# KiCad board SparkFun_BlueSMiRF-ESP32_panelized.kicad_pcb (continued)
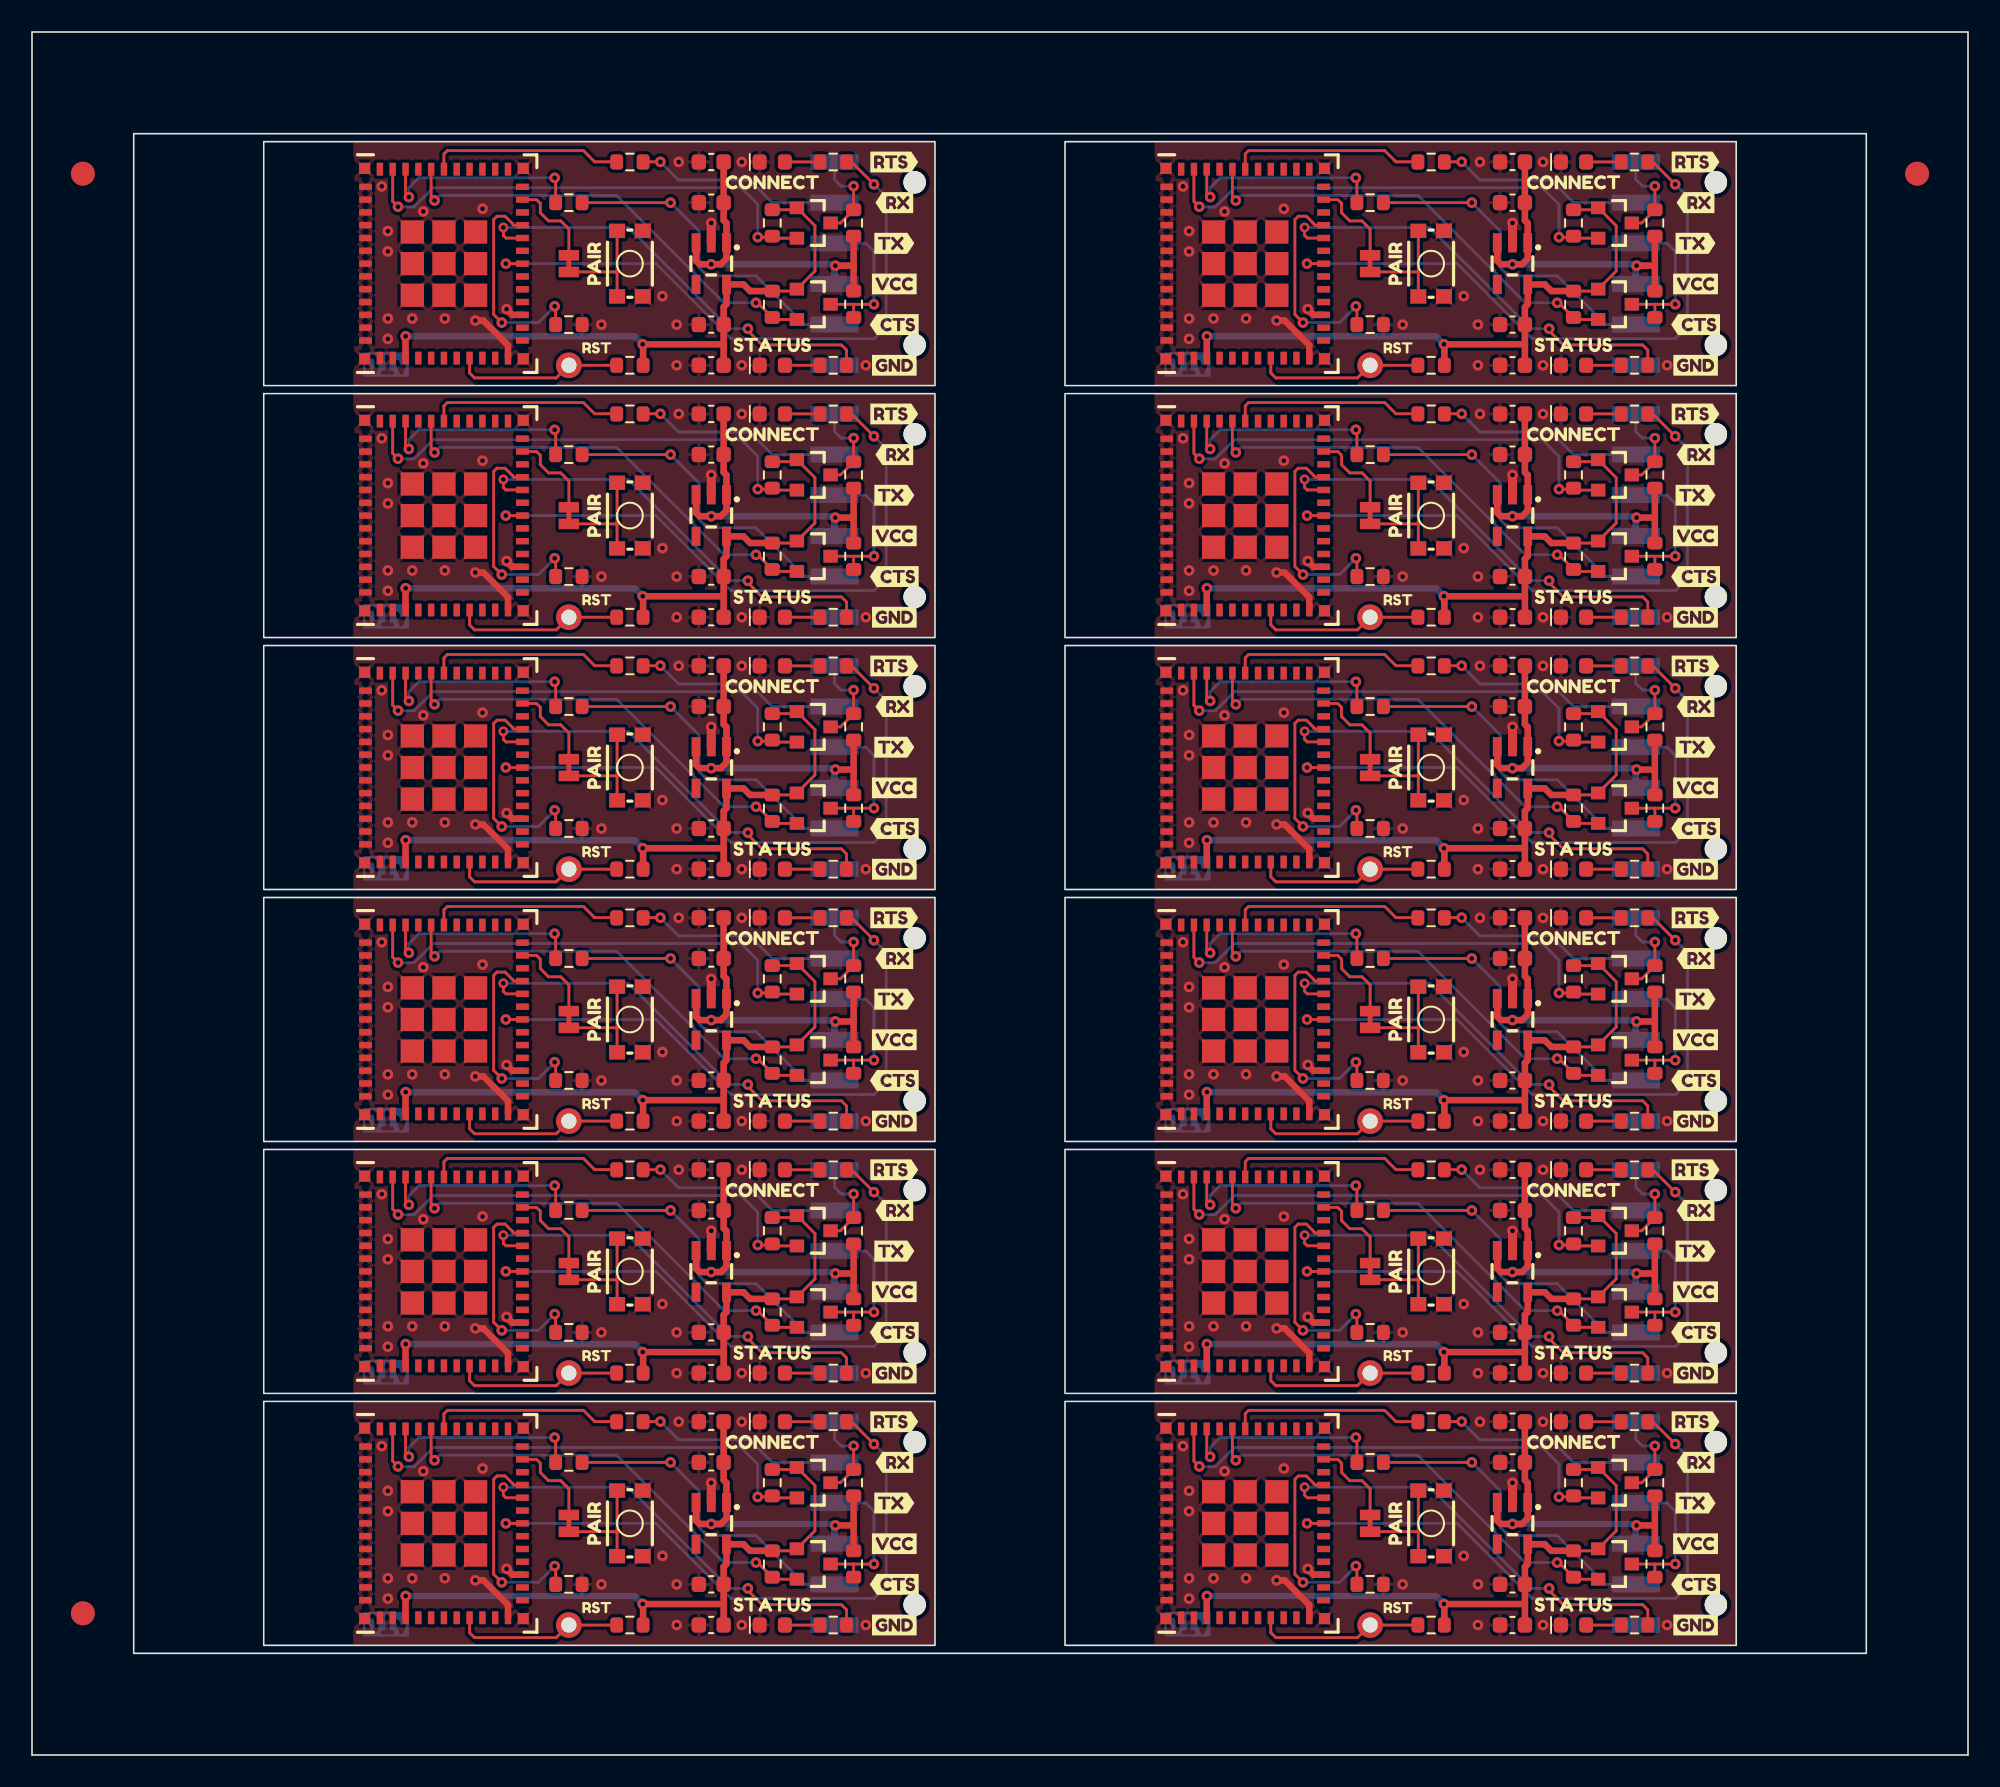
[diagram p0: board, top side]
## Routing (per net, layer and track width the routed paths; a pad name or vN(x,y) marks a point on that pad's centre or on a via; arc(x,y) is an arc through that point) (continued)
VCC: length 288.1
  Top w0.406: R4#12.1 101.33,30.08 ; 101.33,30.08 v1(100.19,30.08) ; 101.33,30.08 101.33,31.93 ; 51.3,31.93 51.3,30.08 ; 51.3,30.08 v1(50.16,30.08) ; 51.3,30.08 R4#3.1 ; v1(100.19,93.04) 101.33,93.04 ; 101.33,93.04 101.33,91.46 ; 101.33,93.04 R7#10.1 ; C3.1 C1.1 43.19,17.18 43.36,17 U2#2.1 43.36,14.79 43,14.43 v1(42.41,14.43) 41.68,14.43 41.46,14.65 U2#2.3 ; U2#12.3 91.49,93.35 91.71,93.13 v1(92.44,93.13) 93.03,93.13 93.39,93.49 U2#12.1 93.39,95.7 93.22,95.88 C1#12.1 C3#10.1 ; R7.1 51.3,14.34 ; 51.3,14.34 v1(50.16,14.34) ; 51.3,14.34 R4.1 ; R4#4.1 51.3,45.82 ; 51.3,45.82 R7#7.1 ; 51.3,45.82 v1(50.16,45.82) ; U2#9.3 91.49,61.87 91.71,61.65 v1(92.44,61.65) 93.03,61.65 93.39,62.01 U2#9.1 93.39,64.22 93.22,64.4 C1#9.1 C3#11.1 ; U2#6.3 91.49,14.65 91.71,14.43 v1(92.44,14.43) 93.03,14.43 93.39,14.79 U2#6.1 93.39,17 93.22,17.18 C1#11.1 C3#8.1 ; R4#10.1 101.33,61.56 ; 101.33,61.56 R7#12.1 ; 101.33,61.56 v1(100.19,61.56) ; v1(100.19,45.82) 101.33,45.82 ; 101.33,45.82 R4#5.1 ; 101.33,45.82 R7#3.1 ; C3#5.1 C1#4.1 43.19,48.66 43.36,48.48 U2#5.1 43.36,46.27 43,45.91 v1(42.41,45.91) 41.68,45.91 41.46,46.13 U2#5.3 ; 51.3,79.15 51.3,77.3 ; 51.3,77.3 R4#11.1 ; 51.3,77.3 v1(50.16,77.3) ; v1(100.19,77.3) 101.33,77.3 ; 101.33,77.3 R4#9.1 ; 101.33,77.3 101.33,79.15 ; v1(50.16,61.56) 51.3,61.56 ; 51.3,61.56 R7#5.1 ; 51.3,61.56 R4#2.1 ; C3#4.1 C1#8.1 93.22,48.66 93.39,48.48 U2#8.1 93.39,46.27 93.03,45.91 v1(92.44,45.91) 91.71,45.91 91.49,46.13 U2#8.3 ; U2#7.3 91.49,30.39 91.71,30.17 v1(92.44,30.17) 93.03,30.17 93.39,30.53 U2#7.1 93.39,32.74 93.22,32.92 C1#2.1 C3#9.1 ; C3#6.1 C1#6.1 43.19,80.14 43.36,79.96 U2.1 43.36,77.75 43,77.39 v1(42.41,77.39) 41.68,77.39 41.46,77.61 U2.3 ; R7#9.1 101.33,14.34 ; 101.33,14.34 v1(100.19,14.34) ; 101.33,14.34 R4#6.1 ; 51.3,91.46 51.3,93.04 ; 51.3,93.04 v1(50.16,93.04) ; 51.3,93.04 R7#8.1 ; U2#3.3 41.46,61.87 41.68,61.65 v1(42.41,61.65) 43,61.65 43.36,62.01 U2#3.1 43.36,64.22 43.19,64.4 C1#3.1 C3#3.1 ; C3#2.1 C1#5.1 43.19,32.92 43.36,32.74 U2#4.1 43.36,30.53 43,30.17 v1(42.41,30.17) 41.68,30.17 41.46,30.39 U2#4.3 ; U2#11.3 91.49,77.61 91.71,77.39 v1(92.44,77.39) 93.03,77.39 93.39,77.75 U2#11.1 93.39,79.96 93.22,80.14 C1#10.1 C3#12.1 ; U2#10.3 41.46,93.35 41.68,93.13 v1(42.41,93.13) 43,93.13 43.36,93.49 U2#10.1 43.36,95.7 43.19,95.88 C1#7.1 C3#7.1
  Bottom w0.406: v1(100.19,45.82) 100.14,45.78 J2#3.4 100.14,45.87 100.1,45.91 v1(92.44,45.91) ; v1(42.41,61.65) 50.07,61.65 50.11,61.61 J2#8.4 50.11,61.52 v1(50.16,61.56) ; v1(42.41,93.13) 50.07,93.13 50.11,93.09 J2#9.4 50.11,93 v1(50.16,93.04) ; v1(100.19,14.34) 100.14,14.3 J2#5.4 100.14,14.39 100.1,14.43 v1(92.44,14.43) ; v1(50.16,77.3) 50.11,77.26 J2#10.4 50.11,77.35 50.07,77.39 v1(42.41,77.39) ; v1(100.19,30.08) 100.14,30.04 J2#12.4 100.14,30.13 100.1,30.17 v1(92.44,30.17) ; v1(92.44,61.65) 100.1,61.65 100.14,61.61 J2#6.4 100.14,61.52 v1(100.19,61.56) ; v1(42.41,14.43) 50.07,14.43 50.11,14.39 J2.4 50.11,14.3 v1(50.16,14.34) ; v1(100.19,93.04) 100.14,93 J2#11.4 100.14,93.09 100.1,93.13 v1(92.44,93.13) ; v1(42.41,45.91) 50.07,45.91 50.11,45.87 J2#4.4 50.11,45.78 v1(50.16,45.82) ; v1(42.41,30.17) 50.07,30.17 50.11,30.13 J2#2.4 50.11,30.04 v1(50.16,30.08) ; v1(100.19,77.3) 100.14,77.26 J2#7.4 100.14,77.35 100.1,77.39 v1(92.44,77.39)
/Connect: length 462.4
  Top w0.178: R2#8.1 51.17,36.56 v1(52.57,35.16) ; U1#2.18 v1(29.58,77.43) ; v1(102.6,50.9) 101.2,52.3 100.89,52.3 ; U1#7.18 v1(29.58,61.69) ; 100.89,83.78 101.2,83.78 v1(102.6,82.38) ; U1#11.18 v1(79.61,14.47) ; v1(102.6,19.42) 101.2,20.82 100.89,20.82 ; v1(102.6,35.16) 101.2,36.56 100.89,36.56 ; 100.89,99.52 101.2,99.52 v1(102.6,98.12) ; U1#10.18 v1(79.61,93.17) ; R2#12.1 51.17,68.04 v1(52.57,66.64) ; U1#8.18 v1(29.58,93.17) ; R2#5.1 51.17,99.52 v1(52.57,98.12) ; U1#12.18 v1(79.61,77.43) ; U1.18 v1(29.58,14.47) ; 100.89,68.04 101.2,68.04 v1(102.6,66.64) ; U1#3.18 v1(79.61,61.69) ; R2#10.1 51.17,83.78 v1(52.57,82.38) ; U1#9.18 v1(29.58,30.21) ; R2#4.1 51.17,52.3 v1(52.57,50.9) ; U1#6.18 v1(29.58,45.95) ; R2#2.1 51.17,20.82 v1(52.57,19.42) ; U1#4.18 v1(79.61,30.21) ; U1#5.18 v1(79.61,45.95)
  Bottom w0.178: v1(102.6,98.12) 103.36,97.36 103.36,89.23 102.62,88.49 93.67,88.49 88.98,93.17 v1(79.61,93.17) ; v1(52.57,82.38) 53.33,81.62 53.33,73.49 52.59,72.75 43.64,72.75 38.95,77.43 v1(29.58,77.43) ; v1(79.61,45.95) 88.98,45.95 93.67,41.27 102.62,41.27 103.36,42.01 103.36,50.14 v1(102.6,50.9) ; v1(52.57,98.12) 53.33,97.36 53.33,89.23 52.59,88.49 43.64,88.49 38.95,93.17 v1(29.58,93.17) ; v1(79.61,30.21) 88.98,30.21 93.67,25.53 102.62,25.53 103.36,26.27 103.36,34.4 v1(102.6,35.16) ; v1(79.61,61.69) 88.98,61.69 93.67,57.01 102.62,57.01 103.36,57.75 103.36,65.88 v1(102.6,66.64) ; v1(102.6,19.42) 103.36,18.66 103.36,10.53 102.62,9.79 93.67,9.79 88.98,14.47 v1(79.61,14.47) ; v1(29.58,61.69) 38.95,61.69 43.64,57.01 52.59,57.01 53.33,57.75 53.33,65.88 v1(52.57,66.64) ; v1(52.57,19.42) 53.33,18.66 53.33,10.53 52.59,9.79 43.64,9.79 38.95,14.47 v1(29.58,14.47) ; v1(29.58,45.95) 38.95,45.95 43.64,41.27 52.59,41.27 53.33,42.01 53.33,50.14 v1(52.57,50.9) ; v1(102.6,82.38) 103.36,81.62 103.36,73.49 102.62,72.75 93.67,72.75 88.98,77.43 v1(79.61,77.43) ; v1(29.58,30.21) 38.95,30.21 43.64,25.53 52.59,25.53 53.33,26.27 53.33,34.4 v1(52.57,35.16)
/Status: length 328.6
  Top w0.178: v2(29.43,63.95) 29.43,63.45 29.59,63.29 U1#7.20 ; R3#3.1 50.86,56.29 50.54,56.61 45.59,56.61 44.7,57.5 v1(44.7,57.63) ; v2(29.43,32.47) 29.43,31.97 29.59,31.81 U1#9.20 ; v1(94.73,57.63) 94.73,57.5 95.62,56.61 100.57,56.61 100.89,56.29 100.89,55.34 ; 100.89,86.82 100.89,87.77 100.57,88.09 95.62,88.09 94.73,88.98 v1(94.73,89.11) ; v2(79.46,95.43) 79.46,94.93 79.62,94.77 U1#10.20 ; U1#6.20 29.59,47.55 29.43,47.71 v2(29.43,48.21) ; v2(29.43,79.69) 29.43,79.19 29.59,79.03 U1#2.20 ; v1(94.73,41.89) 94.73,41.76 95.62,40.87 100.57,40.87 100.89,40.55 100.89,39.6 ; v1(94.73,26.15) 94.73,26.02 95.62,25.13 100.57,25.13 100.89,24.81 100.89,23.86 ; R3#12.1 50.86,9.07 50.54,9.39 45.59,9.39 44.7,10.28 v1(44.7,10.41) ; U1#8.20 29.59,94.77 29.43,94.93 v2(29.43,95.43) ; v1(94.73,10.41) 94.73,10.28 95.62,9.39 100.57,9.39 100.89,9.07 100.89,8.12 ; R3#9.1 50.86,40.55 50.54,40.87 45.59,40.87 44.7,41.76 v1(44.7,41.89) ; v1(44.7,89.11) 44.7,88.98 45.59,88.09 50.54,88.09 50.86,87.77 R3#2.1 ; U1#12.20 79.62,79.03 79.46,79.19 v2(79.46,79.69) ; v2(79.46,16.73) 79.46,16.23 79.62,16.07 U1#11.20 ; U1.20 29.59,16.07 29.43,16.23 v2(29.43,16.73) ; 100.89,71.08 100.89,72.03 100.57,72.35 95.62,72.35 94.73,73.24 v1(94.73,73.37) ; v1(44.7,73.37) 44.7,73.24 45.59,72.35 50.54,72.35 50.86,72.03 R3#5.1 ; R3#8.1 50.86,24.81 50.54,25.13 45.59,25.13 44.7,26.02 v1(44.7,26.15) ; U1#3.20 79.62,63.29 79.46,63.45 v2(79.46,63.95) ; U1#5.20 79.62,47.55 79.46,47.71 v2(79.46,48.21) ; U1#4.20 79.62,31.81 79.46,31.97 v2(79.46,32.47)
  Bottom w0.178: v1(94.73,41.89) 93.58,41.89 87.26,48.21 v2(79.46,48.21) ; v1(94.73,10.41) 93.58,10.41 87.26,16.73 v2(79.46,16.73) ; v2(29.43,79.69) 37.23,79.69 43.55,73.37 v1(44.7,73.37) ; v1(44.7,57.63) 43.55,57.63 37.23,63.95 v2(29.43,63.95) ; v1(44.7,41.89) 43.55,41.89 37.23,48.21 v2(29.43,48.21) ; v1(94.73,57.63) 93.58,57.63 87.26,63.95 v2(79.46,63.95) ; v1(94.73,26.15) 93.58,26.15 87.26,32.47 v2(79.46,32.47) ; v1(94.73,73.37) 93.58,73.37 87.26,79.69 v2(79.46,79.69) ; v2(79.46,95.43) 87.26,95.43 93.58,89.11 v1(94.73,89.11) ; v2(29.43,95.43) 37.23,95.43 43.55,89.11 v1(44.7,89.11) ; v1(44.7,26.15) 43.55,26.15 37.23,32.47 v2(29.43,32.47) ; v2(29.43,16.73) 37.23,16.73 43.55,10.41 v1(44.7,10.41)
CTS_HV: length 244
  Top w0.178: v1(39.87,96.98) 39.58,96.98 ; 39.58,96.98 39.63,97.03 ; 39.58,96.98 R9#6.2 ; 39.58,18.28 39.63,18.33 ; 39.58,18.28 R9.2 ; 39.58,18.28 v1(39.87,18.28) ; R9#8.2 39.58,81.24 ; 39.58,81.24 v1(39.87,81.24) ; 39.58,81.24 39.63,81.29 ; 89.61,65.5 89.66,65.55 ; 89.61,65.5 R9#3.2 ; 89.61,65.5 v1(89.9,65.5) ; v1(89.9,49.76) 89.61,49.76 ; 89.61,49.76 89.66,49.81 ; 89.61,49.76 R9#5.2 ; R9#10.2 89.61,81.24 ; 89.61,81.24 v1(89.9,81.24) ; 89.61,81.24 89.66,81.29 ; R9#11.2 39.58,65.5 ; 39.58,65.5 v1(39.87,65.5) ; 39.58,65.5 39.63,65.55 ; R9#12.2 89.61,96.98 ; 89.61,96.98 89.66,97.03 ; 89.61,96.98 v1(89.9,96.98) ; R9#2.2 39.58,49.76 ; 39.58,49.76 39.63,49.81 ; 39.58,49.76 v1(39.87,49.76) ; 89.61,18.28 89.66,18.33 ; 89.61,18.28 v1(89.9,18.28) ; 89.61,18.28 R9#7.2 ; R9#9.2 89.61,34.02 ; 89.61,34.02 89.66,34.07 ; 89.61,34.02 v1(89.9,34.02) ; 39.58,34.02 39.63,34.07 ; 39.58,34.02 v1(39.87,34.02) ; 39.58,34.02 R9#4.2
  Bottom w0.178: J2#12.5 98.28,26.4 95.23,29.45 92.19,29.45 91.68,29.96 91.68,32.24 v1(89.9,34.02) ; J2#2.5 48.25,26.4 45.2,29.45 42.16,29.45 41.65,29.96 41.65,32.24 v1(39.87,34.02) ; J2#11.5 98.28,89.36 95.23,92.41 92.19,92.41 91.68,92.92 91.68,95.2 v1(89.9,96.98) ; J2#5.5 98.28,10.66 95.23,13.71 92.19,13.71 91.68,14.22 91.68,16.5 v1(89.9,18.28) ; v1(89.9,65.5) 91.68,63.72 91.68,61.44 92.19,60.93 95.23,60.93 98.28,57.88 J2#6.5 ; J2#4.5 48.25,42.14 45.2,45.19 42.16,45.19 41.65,45.7 41.65,47.98 v1(39.87,49.76) ; J2#7.5 98.28,73.62 95.23,76.67 92.19,76.67 91.68,77.18 91.68,79.46 v1(89.9,81.24) ; J2#8.5 48.25,57.88 45.2,60.93 42.16,60.93 41.65,61.44 41.65,63.72 v1(39.87,65.5) ; J2#9.5 48.25,89.36 45.2,92.41 42.16,92.41 41.65,92.92 41.65,95.2 v1(39.87,96.98) ; J2.5 48.25,10.66 45.2,13.71 42.16,13.71 41.65,14.22 41.65,16.5 v1(39.87,18.28) ; v1(89.9,49.76) 91.68,47.98 91.68,45.7 92.19,45.19 95.23,45.19 98.28,42.14 J2#3.5 ; v1(39.87,81.24) 41.65,79.46 41.65,77.18 42.16,76.67 45.2,76.67 48.25,73.62 J2#10.5
CTS_LV: length 160.1
  Top w0.178: v1(23.53,50.11) 23.32,50.32 U1#6.33 ; R9#12.1 82.72,98.47 v1(82.66,98.53) ; U1#12.33 73.35,81.8 v1(73.56,81.59) ; v1(73.56,34.37) 73.35,34.58 U1#4.33 ; v1(23.53,81.59) 23.32,81.8 U1#2.33 ; 32.69,18.28 32.69,19.77 v1(32.63,19.83) ; U1#8.33 23.32,97.54 v1(23.53,97.33) ; v1(32.63,35.57) 32.69,35.51 32.69,34.02 ; U1#10.33 73.35,97.54 v1(73.56,97.33) ; v1(73.56,65.85) 73.35,66.06 U1#3.33 ; v1(32.63,67.05) 32.69,66.99 32.69,65.5 ; U1#7.33 23.32,66.06 v1(23.53,65.85) ; U1#5.33 73.35,50.32 v1(73.56,50.11) ; R9#5.1 82.72,51.25 v1(82.66,51.31) ; R9#9.1 82.72,35.51 v1(82.66,35.57) ; U1#9.33 23.32,34.58 v1(23.53,34.37) ; R9#7.1 82.72,19.77 v1(82.66,19.83) ; 32.69,49.76 32.69,51.25 v1(32.63,51.31) ; v1(82.66,67.05) 82.72,66.99 R9#3.1 ; v1(82.66,82.79) 82.72,82.73 R9#10.1 ; 32.69,81.24 32.69,82.73 v1(32.63,82.79) ; v1(23.53,18.63) 23.32,18.84 U1.33 ; v1(73.56,18.63) 73.35,18.84 U1#11.33 ; v1(32.63,98.53) 32.69,98.47 32.69,96.98
  Bottom w0.178: v1(32.63,51.31) 24.15,51.31 23.53,50.69 v1(23.53,50.11) ; v1(32.63,98.53) 24.15,98.53 23.53,97.91 v1(23.53,97.33) ; v1(73.56,50.11) 73.56,50.69 74.18,51.31 v1(82.66,51.31) ; v1(82.66,19.83) 74.18,19.83 73.56,19.21 v1(73.56,18.63) ; v1(73.56,34.37) 73.56,34.95 74.18,35.57 v1(82.66,35.57) ; v1(23.53,34.37) 23.53,34.95 24.15,35.57 v1(32.63,35.57) ; v1(73.56,81.59) 73.56,82.17 74.18,82.79 v1(82.66,82.79) ; v1(32.63,67.05) 24.15,67.05 23.53,66.43 v1(23.53,65.85) ; v1(23.53,81.59) 23.53,82.17 24.15,82.79 v1(32.63,82.79) ; v1(82.66,67.05) 74.18,67.05 73.56,66.43 v1(73.56,65.85) ; v1(82.66,98.53) 74.18,98.53 73.56,97.91 v1(73.56,97.33) ; v1(23.53,18.63) 23.53,19.21 24.15,19.83 v1(32.63,19.83)
PAIR: length 67.7
  Top w0.178: JP1#2.2 83.55,79.59 83.04,80.1 82.28,80.1 81.77,80.61 81.77,81.19 81.53,81.43 U1#12.23 ; U1#11.23 81.53,18.47 81.77,18.23 81.77,17.65 82.28,17.14 83.04,17.14 83.55,16.63 JP1#6.2 ; JP1#8.2 33.52,63.85 33.01,64.36 32.25,64.36 31.74,64.87 31.74,65.45 31.5,65.69 U1#7.23 ; JP1#10.2 33.52,48.11 33.01,48.62 32.25,48.62 31.74,49.13 31.74,49.71 31.5,49.95 U1#6.23 ; JP1#4.2 33.52,95.33 33.01,95.84 32.25,95.84 31.74,96.35 31.74,96.93 31.5,97.17 U1#8.23 ; JP1#3.2 83.55,95.33 83.04,95.84 82.28,95.84 81.77,96.35 81.77,96.93 81.53,97.17 U1#10.23 ; JP1.2 33.52,79.59 33.01,80.1 32.25,80.1 31.74,80.61 31.74,81.19 31.5,81.43 U1#2.23 ; JP1#9.2 83.55,48.11 83.04,48.62 82.28,48.62 81.77,49.13 81.77,49.71 81.53,49.95 U1#5.23 ; JP1#7.2 83.55,32.37 83.04,32.88 82.28,32.88 81.77,33.39 81.77,33.97 81.53,34.21 U1#4.23 ; JP1#12.2 33.52,16.63 33.01,17.14 32.25,17.14 31.74,17.65 31.74,18.23 31.5,18.47 U1.23 ; U1#3.23 81.53,65.69 81.77,65.45 81.77,64.87 82.28,64.36 83.04,64.36 83.55,63.85 JP1#5.2 ; U1#9.23 31.5,34.21 31.74,33.97 31.74,33.39 32.25,32.88 33.01,32.88 33.52,32.37 JP1#11.2
RTS_HV: length 68.6
  Top w0.178: v1(51.3,50.79) R7#7.2 50.47,48.49 Q2#12.3 ; v1(101.33,35.05) R7#6.2 100.5,32.75 Q2#3.3 ; Q2#7.3 50.47,79.97 R7#2.2 v1(51.3,82.27) ; v1(101.33,82.27) R7#11.2 100.5,79.97 Q2#2.3 ; Q2#4.3 100.5,95.71 101.33,96.53 v1(101.33,98.01) ; Q2.3 100.5,17.01 R7#9.2 v1(101.33,19.31) ; v1(101.33,50.79) R7#3.2 100.5,48.49 Q2#5.3 ; v1(51.3,98.01) 51.3,96.53 50.47,95.71 Q2#8.3 ; Q2#9.3 100.5,64.23 R7#12.2 v1(101.33,66.53) ; Q2#6.3 50.47,64.23 R7#5.2 v1(51.3,66.53) ; Q2#11.3 50.47,32.75 R7#4.2 v1(51.3,35.05) ; Q2#10.3 50.47,17.01 R7.2 v1(51.3,19.31)
  Bottom w0.178: J2#6.1 100.14,66.94 100.55,66.53 v1(101.33,66.53) ; v1(101.33,98.01) 100.55,98.01 100.14,98.42 J2#11.1 ; v1(51.3,82.27) 50.52,82.27 50.11,82.68 J2#10.1 ; v1(51.3,66.53) 50.52,66.53 50.11,66.94 J2#8.1 ; v1(101.33,19.31) 100.55,19.31 100.14,19.72 J2#5.1 ; J2#2.1 50.11,35.46 50.52,35.05 v1(51.3,35.05) ; v1(101.33,35.05) 100.55,35.05 100.14,35.46 J2#12.1 ; v1(101.33,50.79) 100.55,50.79 100.14,51.2 J2#3.1 ; J2#9.1 50.11,98.42 50.52,98.01 v1(51.3,98.01) ; J2#4.1 50.11,51.2 50.52,50.79 v1(51.3,50.79) ; v1(51.3,19.31) 50.52,19.31 50.11,19.72 J2.1 ; v1(101.33,82.27) 100.55,82.27 100.14,82.68 J2#7.1
RTS_LV: length 365.4
  Top w0.178: v1(95.34,31.86) 96.19,31.86 96.25,31.93 96.38,31.8 Q2#3.2 ; v1(72.88,65.25) 72.55,65.58 U1#3.34 ; U1#10.34 72.55,97.06 v1(72.88,96.73) ; Q2#10.2 46.34,16.06 R6.2 46.16,16.12 v1(45.31,16.12) ; Q2#7.2 46.34,79.02 46.22,79.15 46.16,79.08 v1(45.31,79.08) ; v1(72.88,33.77) 72.55,34.1 U1#4.34 ; v1(45.31,47.6) 46.16,47.6 R6#8.2 46.34,47.54 Q2#12.2 ; v1(45.31,31.86) 46.16,31.86 46.22,31.93 46.34,31.8 Q2#11.2 ; v1(22.85,65.25) 22.52,65.58 U1#7.34 ; Q2#8.2 46.34,94.76 R6#10.2 46.16,94.82 v1(45.31,94.82) ; U1#11.34 72.55,18.36 v1(72.88,18.03) ; v1(45.31,63.34) 46.16,63.34 R6#5.2 46.34,63.28 Q2#6.2 ; v1(22.85,96.73) 22.52,97.06 U1#8.34 ; v1(22.85,18.03) 22.52,18.36 U1.34 ; v1(95.34,63.34) 96.19,63.34 R6#2.2 96.38,63.28 Q2#9.2 ; v1(95.34,79.08) 96.19,79.08 96.25,79.15 96.38,79.02 Q2#2.2 ; v1(22.85,33.77) 22.52,34.1 U1#9.34 ; Q2.2 96.38,16.06 R6#11.2 96.19,16.12 v1(95.34,16.12) ; v1(95.34,94.82) 96.19,94.82 R6#4.2 96.38,94.76 Q2#4.2 ; U1#2.34 22.52,81.32 v1(22.85,80.99) ; v1(22.85,49.51) 22.52,49.84 U1#6.34 ; v1(72.88,49.51) 72.55,49.84 U1#5.34 ; v1(72.88,80.99) 72.55,81.32 U1#12.34 ; Q2#5.2 96.38,47.54 R6#6.2 96.19,47.6 v1(95.34,47.6)
  Bottom w0.178: v1(95.34,94.82) 95.34,96.87 94.3,97.91 75.08,97.91 73.88,96.71 72.9,96.71 v1(72.88,96.73) ; v1(95.34,47.6) 95.34,49.65 94.3,50.69 75.08,50.69 73.88,49.49 72.9,49.49 v1(72.88,49.51) ; v1(72.88,18.03) 72.9,18.01 73.88,18.01 75.08,19.21 94.3,19.21 95.34,18.17 v1(95.34,16.12) ; v1(45.31,63.34) 45.31,65.39 44.27,66.43 25.05,66.43 23.85,65.23 22.87,65.23 v1(22.85,65.25) ; v1(72.88,80.99) 72.9,80.97 73.88,80.97 75.08,82.17 94.3,82.17 95.34,81.13 v1(95.34,79.08) ; v1(45.31,16.12) 45.31,18.17 44.27,19.21 25.05,19.21 23.85,18.01 22.87,18.01 v1(22.85,18.03) ; v1(22.85,96.73) 22.87,96.71 23.85,96.71 25.05,97.91 44.27,97.91 45.31,96.87 v1(45.31,94.82) ; v1(45.31,47.6) 45.31,49.65 44.27,50.69 25.05,50.69 23.85,49.49 22.87,49.49 v1(22.85,49.51) ; v1(72.88,33.77) 72.9,33.75 73.88,33.75 75.08,34.95 94.3,34.95 95.34,33.91 v1(95.34,31.86) ; v1(45.31,31.86) 45.31,33.91 44.27,34.95 25.05,34.95 23.85,33.75 22.87,33.75 v1(22.85,33.77) ; v1(72.88,65.25) 72.9,65.23 73.88,65.23 75.08,66.43 94.3,66.43 95.34,65.39 v1(95.34,63.34) ; v1(22.85,80.99) 22.87,80.97 23.85,80.97 25.05,82.17 44.27,82.17 45.31,81.13 v1(45.31,79.08)
RX_HV: length 156.2
  Top w0.178: R8#10.2 38.17,83.79 v1(39.24,83.79) ; v1(89.27,83.79) 88.19,83.79 R8#6.2 ; v1(39.24,52.31) 38.17,52.31 R8#3.2 ; R8#11.2 88.19,20.83 v1(89.27,20.83) ; R8#7.2 38.17,36.57 v1(39.24,36.57) ; R8#8.2 38.17,99.53 v1(39.24,99.53) ; R8.2 38.17,20.83 v1(39.24,20.83) ; v1(39.24,68.05) 38.17,68.05 R8#4.2 ; R8#12.2 88.19,36.57 v1(89.27,36.57) ; v1(89.27,52.31) 88.19,52.31 R8#5.2 ; R8#2.2 88.19,99.53 v1(89.27,99.53) ; v1(89.27,68.05) 88.19,68.05 R8#9.2
  Bottom w0.178: J2#10.2 46.22,81.24 44.81,82.65 40.37,82.65 v1(39.24,83.79) ; v1(89.27,83.79) 90.4,82.65 94.84,82.65 96.25,81.24 J2#7.2 ; J2#3.2 96.25,49.76 94.84,51.17 90.4,51.17 v1(89.27,52.31) ; v1(89.27,20.83) 90.4,19.69 94.84,19.69 96.25,18.28 J2#5.2 ; J2#2.2 46.22,34.02 44.81,35.43 40.37,35.43 v1(39.24,36.57) ; J2#4.2 46.22,49.76 44.81,51.17 40.37,51.17 v1(39.24,52.31) ; v1(39.24,68.05) 40.37,66.91 44.81,66.91 46.22,65.5 J2#8.2 ; J2#9.2 46.22,96.98 44.81,98.39 40.37,98.39 v1(39.24,99.53) ; v1(89.27,68.05) 90.4,66.91 94.84,66.91 96.25,65.5 J2#6.2 ; J2#11.2 96.25,96.98 94.84,98.39 90.4,98.39 v1(89.27,99.53) ; J2.2 46.22,18.28 44.81,19.69 40.37,19.69 v1(39.24,20.83) ; J2#12.2 96.25,34.02 94.84,35.43 90.4,35.43 v1(89.27,36.57)
RX_LV: length 145.4
  Top w0.178: U1.30 25.72,21.32 25.93,21.53 34.43,21.53 35.13,20.83 36.5,20.83 R8.1 ; U1#2.30 25.72,84.28 25.93,84.49 34.43,84.49 35.13,83.79 36.5,83.79 R8#10.1 ; 86.53,20.82 86.53,20.83 85.16,20.83 84.46,21.53 75.96,21.53 75.75,21.32 U1#11.30 ; U1#8.30 25.72,100.02 25.93,100.23 34.43,100.23 35.13,99.53 36.5,99.53 R8#8.1 ; U1#10.30 75.75,100.02 75.96,100.23 84.46,100.23 85.16,99.53 86.53,99.53 86.53,99.52 ; 86.53,52.3 86.53,52.31 85.16,52.31 84.46,53.01 75.96,53.01 75.75,52.8 U1#5.30 ; R8#3.1 36.5,52.31 35.13,52.31 34.43,53.01 25.93,53.01 25.72,52.8 U1#6.30 ; 86.53,36.56 86.53,36.57 85.16,36.57 84.46,37.27 75.96,37.27 75.75,37.06 U1#4.30 ; R8#4.1 36.5,68.05 35.13,68.05 34.43,68.75 25.93,68.75 25.72,68.54 U1#7.30 ; R8#7.1 36.5,36.57 35.13,36.57 34.43,37.27 25.93,37.27 25.72,37.06 U1#9.30 ; 86.53,83.78 86.53,83.79 85.16,83.79 84.46,84.49 75.96,84.49 75.75,84.28 U1#12.30 ; 86.53,68.04 86.53,68.05 85.16,68.05 84.46,68.75 75.96,68.75 75.75,68.54 U1#3.30
TX_HV: length 114.1
  Top w0.178: R4#8.2 51.3,90.63 ; 51.3,90.63 Q1#11.3 ; 51.3,90.63 v1(52.57,90.63) ; v1(102.6,43.41) 101.33,43.41 ; 101.33,43.41 Q1#8.3 ; 101.33,43.41 R4#5.2 ; 101.33,11.93 Q1#5.3 ; 101.33,11.93 v1(102.6,11.93) ; 101.33,11.93 R4#6.2 ; 101.33,74.07 101.33,74.89 ; 101.33,74.89 Q1#12.3 ; 101.33,74.89 v1(102.6,74.89) ; v1(102.6,90.63) 101.33,90.63 ; 101.33,90.63 R4#7.2 ; 101.33,90.63 Q1#9.3 ; 51.3,27.67 Q1#6.3 ; 51.3,27.67 51.3,26.85 ; 51.3,27.67 v1(52.57,27.67) ; 101.33,59.15 Q1#2.3 ; 101.33,59.15 R4#10.2 ; 101.33,59.15 v1(102.6,59.15) ; 51.3,43.41 Q1#10.3 ; 51.3,43.41 R4#4.2 ; 51.3,43.41 v1(52.57,43.41) ; 51.3,11.93 Q1.3 ; 51.3,11.93 v1(52.57,11.93) ; 51.3,11.93 R4.2 ; v1(102.6,27.67) 101.33,27.67 ; 101.33,27.67 101.33,26.85 ; 101.33,27.67 Q1#4.3 ; 51.3,74.07 51.3,74.89 ; 51.3,74.89 Q1#7.3 ; 51.3,74.89 v1(52.57,74.89) ; 51.3,59.15 Q1#3.3 ; 51.3,59.15 R4#2.2 ; 51.3,59.15 v1(52.57,59.15)
  Bottom w0.178: J2.3 52.06,15.74 52.57,15.23 v1(52.57,11.93) ; J2#2.3 52.06,31.48 52.57,30.97 v1(52.57,27.67) ; v1(102.6,11.93) 102.6,15.23 102.09,15.74 J2#5.3 ; v1(52.57,59.15) 52.57,62.45 52.06,62.96 J2#8.3 ; v1(102.6,59.15) 102.6,62.45 102.09,62.96 J2#6.3 ; J2#3.3 102.09,47.22 102.6,46.71 v1(102.6,43.41) ; v1(52.57,43.41) 52.57,46.71 52.06,47.22 J2#4.3 ; J2#10.3 52.06,78.7 52.57,78.19 v1(52.57,74.89) ; J2#7.3 102.09,78.7 102.6,78.19 v1(102.6,74.89) ; J2#12.3 102.09,31.48 102.6,30.97 v1(102.6,27.67) ; J2#9.3 52.06,94.44 52.57,93.93 v1(52.57,90.63) ; v1(102.6,90.63) 102.6,93.93 102.09,94.44 J2#11.3
TX_LV: length 336.2
  Top w0.178: U1.31 24.92,18.62 v1(25.13,18.41) ; U1#12.31 74.95,81.59 v1(75.16,81.37) ; Q1#9.2 96.38,89.68 R5#3.2 95.33,90.72 v1(95.23,90.72) ; v1(45.2,12.02) 45.3,12.02 R5#12.2 46.34,10.98 Q1.2 ; U1#9.31 24.92,34.37 v1(25.13,34.15) ; U1#6.31 24.92,50.11 v1(25.13,49.89) ; Q1#10.2 46.34,42.46 R5#5.2 45.3,43.5 v1(45.2,43.5) ; U1#11.31 74.95,18.62 v1(75.16,18.41) ; Q1#2.2 96.38,58.2 R5#9.2 95.33,59.24 v1(95.23,59.24) ; U1#4.31 74.95,34.37 v1(75.16,34.15) ; v1(45.2,90.72) 45.3,90.72 R5#6.2 46.34,89.68 Q1#11.2 ; Q1#5.2 96.38,10.98 R5.2 95.33,12.02 v1(95.23,12.02) ; v1(45.2,27.76) 45.3,27.76 46.34,26.72 Q1#6.2 ; v1(25.13,97.11) 24.92,97.33 U1#8.31 ; v1(75.16,49.89) 74.95,50.11 U1#5.31 ; U1#3.31 74.95,65.85 v1(75.16,65.63) ; v1(95.23,27.76) 95.33,27.76 96.38,26.72 Q1#4.2 ; Q1#7.2 46.34,73.94 45.3,74.98 v1(45.2,74.98) ; v1(25.13,65.63) 24.92,65.85 U1#7.31 ; v1(75.16,97.11) 74.95,97.33 U1#10.31 ; Q1#3.2 46.34,58.2 R5#4.2 45.3,59.24 v1(45.2,59.24) ; v1(25.13,81.37) 24.92,81.59 U1#2.31 ; Q1#8.2 96.38,42.46 R5#2.2 95.33,43.5 v1(95.23,43.5) ; v1(95.23,74.98) 95.33,74.98 96.38,73.94 Q1#12.2
  Bottom w0.178: v1(95.23,27.76) 93.24,27.76 86.53,34.47 75.48,34.47 v1(75.16,34.15) ; v1(45.2,74.98) 43.21,74.98 36.5,81.69 25.45,81.69 v1(25.13,81.37) ; v1(45.2,27.76) 43.21,27.76 36.5,34.47 25.45,34.47 v1(25.13,34.15) ; v1(95.23,59.24) 93.24,59.24 86.53,65.95 75.48,65.95 v1(75.16,65.63) ; v1(75.16,18.41) 75.48,18.73 86.53,18.73 93.24,12.02 v1(95.23,12.02) ; v1(75.16,81.37) 75.48,81.69 86.53,81.69 93.24,74.98 v1(95.23,74.98) ; v1(75.16,97.11) 75.48,97.43 86.53,97.43 93.24,90.72 v1(95.23,90.72) ; v1(45.2,43.5) 43.21,43.5 36.5,50.21 25.45,50.21 v1(25.13,49.89) ; v1(75.16,49.89) 75.48,50.21 86.53,50.21 93.24,43.5 v1(95.23,43.5) ; v1(25.13,18.41) 25.45,18.73 36.5,18.73 43.21,12.02 v1(45.2,12.02) ; v1(25.13,65.63) 25.45,65.95 36.5,65.95 43.21,59.24 v1(45.2,59.24) ; v1(25.13,97.11) 25.45,97.43 36.5,97.43 43.21,90.72 v1(45.2,90.72)
Net-(D1-A): length 26.4
  Top w0.178: D1#8.2 R2#11.2 ; D1#2.2 R2#2.2 ; D1#11.2 R2#7.2 ; D1#12.2 R2.2 ; D1#5.2 R2#10.2 ; D1#10.2 R2#9.2 ; D1#3.2 R2#12.2 ; D1.2 R2#8.2 ; D1#9.2 R2#5.2 ; D1#6.2 R2#6.2 ; D1#4.2 R2#4.2 ; D1#7.2 R2#3.2
Net-(D2-A): length 26.4
  Top w0.178: R3#9.2 D2#3.2 ; R3#4.2 D2#2.2 ; R3#2.2 D2#11.2 ; R3#10.2 D2#6.2 ; R3#12.2 D2.2 ; R3#11.2 D2#12.2 ; R3#5.2 D2#8.2 ; R3#8.2 D2#5.2 ; R3#7.2 D2#9.2 ; R3#6.2 D2#7.2 ; R3.2 D2#10.2 ; R3#3.2 D2#4.2
Net-(JP1-A): length 85.4
  Top w0.178: SW1.1 36.53,13.93 ; 36.53,13.93 SW1.1 ; 36.53,13.93 36.51,13.95 JP1#12.1 ; SW1#12.1 86.56,76.89 ; 86.56,76.89 SW1#12.1 ; 86.56,76.89 86.54,76.91 JP1#2.1 ; JP1#9.1 86.54,45.43 86.56,45.41 ; SW1#3.1 36.53,92.63 ; 36.53,92.63 SW1#3.1 ; 36.53,92.63 36.51,92.65 JP1#4.1 ; 86.56,45.41 SW1#9.1 ; 86.56,45.41 SW1#9.1 ; 86.56,61.15 SW1#11.1 ; 86.56,61.15 SW1#11.1 ; 86.56,61.15 86.54,61.17 JP1#5.1 ; 36.53,61.15 SW1#2.1 ; 36.53,61.15 SW1#2.1 ; 36.53,61.15 36.51,61.17 JP1#8.1 ; JP1#6.1 86.54,13.95 86.56,13.93 ; 86.56,29.67 86.54,29.69 JP1#7.1 ; 86.56,29.67 SW1#8.1 ; 86.56,29.67 SW1#8.1 ; 86.56,92.63 SW1#10.1 ; 86.56,92.63 SW1#10.1 ; 86.56,92.63 86.54,92.65 JP1#3.1 ; 36.53,76.89 SW1#6.1 ; 36.53,76.89 36.51,76.91 JP1.1 ; 36.53,76.89 SW1#6.1 ; 36.53,45.41 36.51,45.43 JP1#10.1 ; 36.53,45.41 SW1#4.1 ; 36.53,45.41 SW1#4.1 ; 36.53,29.67 SW1#5.1 ; 36.53,29.67 36.51,29.69 JP1#11.1 ; 36.53,29.67 SW1#5.1 ; SW1#7.1 86.56,13.93 ; 86.56,13.93 SW1#7.1
Net-(U1-EN): length 126.8
  Top w0.178: U1#3.8 77.35,54.86 77.66,54.55 82.76,54.55 TP1#10.1 86.53,55.34 ; U1#10.8 77.35,86.34 77.66,86.03 82.76,86.03 TP1#11.1 86.53,86.82 ; R1#5.2 TP1#5.1 32.73,54.55 27.63,54.55 27.32,54.86 U1#7.8 ; U1.8 27.32,7.64 27.63,7.33 32.73,7.33 TP1#12.1 R1.2 ; U1#11.8 77.35,7.64 77.66,7.33 82.76,7.33 TP1#6.1 86.53,8.12 ; U1#6.8 27.32,39.12 27.63,38.81 32.73,38.81 TP1.1 R1#2.2 ; U1#9.8 27.32,23.38 27.63,23.07 32.73,23.07 TP1#4.1 R1#7.2 ; 86.53,39.6 TP1#2.1 82.76,38.81 77.66,38.81 77.35,39.12 U1#5.8 ; 86.53,71.08 TP1#3.1 82.76,70.29 77.66,70.29 77.35,70.6 U1#12.8 ; 86.53,23.86 TP1#9.1 82.76,23.07 77.66,23.07 77.35,23.38 U1#4.8 ; R1#9.2 TP1#8.1 32.73,86.03 27.63,86.03 27.32,86.34 U1#8.8 ; U1#2.8 27.32,70.6 27.63,70.29 32.73,70.29 TP1#7.1 R1#3.2
Net-(U1-IO15): length 163.9
  Top w0.178: v1(32.63,74.76) 32.69,74.7 32.69,73.62 ; v1(29.33,58.01) 28.82,58.52 28.82,64.44 29.03,64.65 29.54,64.65 30,64.19 30,64.18 30.09,64.09 U1#7.21 ; U1#4.21 80.12,32.61 80.03,32.7 80.03,32.71 79.57,33.17 79.06,33.17 78.85,32.96 78.85,27.04 v1(79.36,26.53) ; v1(29.33,73.75) 28.82,74.26 28.82,80.18 29.03,80.39 29.54,80.39 30,79.93 30,79.92 30.09,79.83 U1#2.21 ; R10#10.1 82.72,43.22 v1(82.66,43.28) ; U1#9.21 30.09,32.61 30,32.7 30,32.71 29.54,33.17 29.03,33.17 28.82,32.96 28.82,27.04 v1(29.33,26.53) ; v1(82.66,90.5) 82.72,90.44 R10#4.1 ; v1(82.66,11.8) 82.72,11.74 R10#3.1 ; v1(32.63,27.54) 32.69,27.48 32.69,26.4 ; U1#5.21 80.12,48.35 80.03,48.44 80.03,48.45 79.57,48.91 79.06,48.91 78.85,48.7 78.85,42.78 v1(79.36,42.27) ; U1#6.21 30.09,48.35 30,48.44 30,48.45 29.54,48.91 29.03,48.91 28.82,48.7 28.82,42.78 v1(29.33,42.27) ; R10#12.1 82.72,74.7 v1(82.66,74.76) ; R10#11.1 82.72,58.96 v1(82.66,59.02) ; U1#11.21 80.12,16.87 80.03,16.96 80.03,16.97 79.57,17.43 79.06,17.43 78.85,17.22 78.85,11.3 v1(79.36,10.79) ; U1#12.21 80.12,79.83 80.03,79.92 80.03,79.93 79.57,80.39 79.06,80.39 78.85,80.18 78.85,74.26 v1(79.36,73.75) ; v1(32.63,59.02) 32.69,58.96 32.69,57.88 ; v1(32.63,43.28) 32.69,43.22 32.69,42.14 ; U1.21 30.09,16.87 30,16.96 30,16.97 29.54,17.43 29.03,17.43 28.82,17.22 28.82,11.3 v1(29.33,10.79) ; 32.69,89.36 32.69,90.44 v1(32.63,90.5) ; v1(29.33,89.49) 28.82,90 28.82,95.92 29.03,96.13 29.54,96.13 30,95.67 30,95.66 30.09,95.57 U1#8.21 ; v1(82.66,27.54) 82.72,27.48 R10#2.1 ; v1(79.36,89.49) 78.85,90 78.85,95.92 79.06,96.13 79.57,96.13 80.03,95.67 80.03,95.66 80.12,95.57 U1#10.21 ; v1(79.36,58.01) 78.85,58.52 78.85,64.44 79.06,64.65 79.57,64.65 80.03,64.19 80.03,64.18 80.12,64.09 U1#3.21 ; v1(32.63,11.8) 32.69,11.74 32.69,10.66
  Bottom w0.178: v1(29.33,10.79) 31.62,10.79 v1(32.63,11.8) ; v1(32.63,43.28) 31.62,42.27 v1(29.33,42.27) ; v1(79.36,10.79) 81.65,10.79 v1(82.66,11.8) ; v1(82.66,43.28) 81.65,42.27 v1(79.36,42.27) ; v1(82.66,90.5) 81.65,89.49 v1(79.36,89.49) ; v1(82.66,59.02) 81.65,58.01 v1(79.36,58.01) ; v1(32.63,74.76) 31.62,73.75 v1(29.33,73.75) ; v1(29.33,26.53) 31.62,26.53 v1(32.63,27.54) ; v1(32.63,59.02) 31.62,58.01 v1(29.33,58.01) ; v1(79.36,26.53) 81.65,26.53 v1(82.66,27.54) ; v1(29.33,89.49) 31.62,89.49 v1(32.63,90.5) ; v1(82.66,74.76) 81.65,73.75 v1(79.36,73.75)

## Copper pours and planes (outline as drawn; the poured copper is in the pictures)
GND on Top, Bottom: 70.09,85.55 70.09,100.79 106.41,100.79 106.41,85.55
GND on Top, Bottom: 20.06,38.33 20.06,53.57 56.38,53.57 56.38,38.33
GND on Top, Bottom: 20.06,6.85 20.06,22.09 56.38,22.09 56.38,6.85
GND on Top, Bottom: 20.06,85.55 20.06,100.79 56.38,100.79 56.38,85.55
GND on Top, Bottom: 70.09,22.59 70.09,37.83 106.41,37.83 106.41,22.59
GND on Top, Bottom: 70.09,38.33 70.09,53.57 106.41,53.57 106.41,38.33
GND on Top, Bottom: 20.06,69.81 20.06,85.05 56.38,85.05 56.38,69.81
GND on Top, Bottom: 20.06,22.59 20.06,37.83 56.38,37.83 56.38,22.59
GND on Top, Bottom: 70.09,54.07 70.09,69.31 106.41,69.31 106.41,54.07
GND on Top, Bottom: 70.09,6.85 70.09,22.09 106.41,22.09 106.41,6.85
GND on Top, Bottom: 70.09,69.81 70.09,85.05 106.41,85.05 106.41,69.81
GND on Top, Bottom: 20.06,54.07 20.06,69.31 56.38,69.31 56.38,54.07

## Text on the board
Bottom: v10
User.Comments: N. Seidle | V-SCORE | ROUTE OUT
F.Fab: Finish: HASL Lead Free | Thickness: 1.6mm | Solder Mask: Red | Layers: 2
